# Altium PCB 2019.07.15.master.PcbDoc (part 1 of 7) (continued)
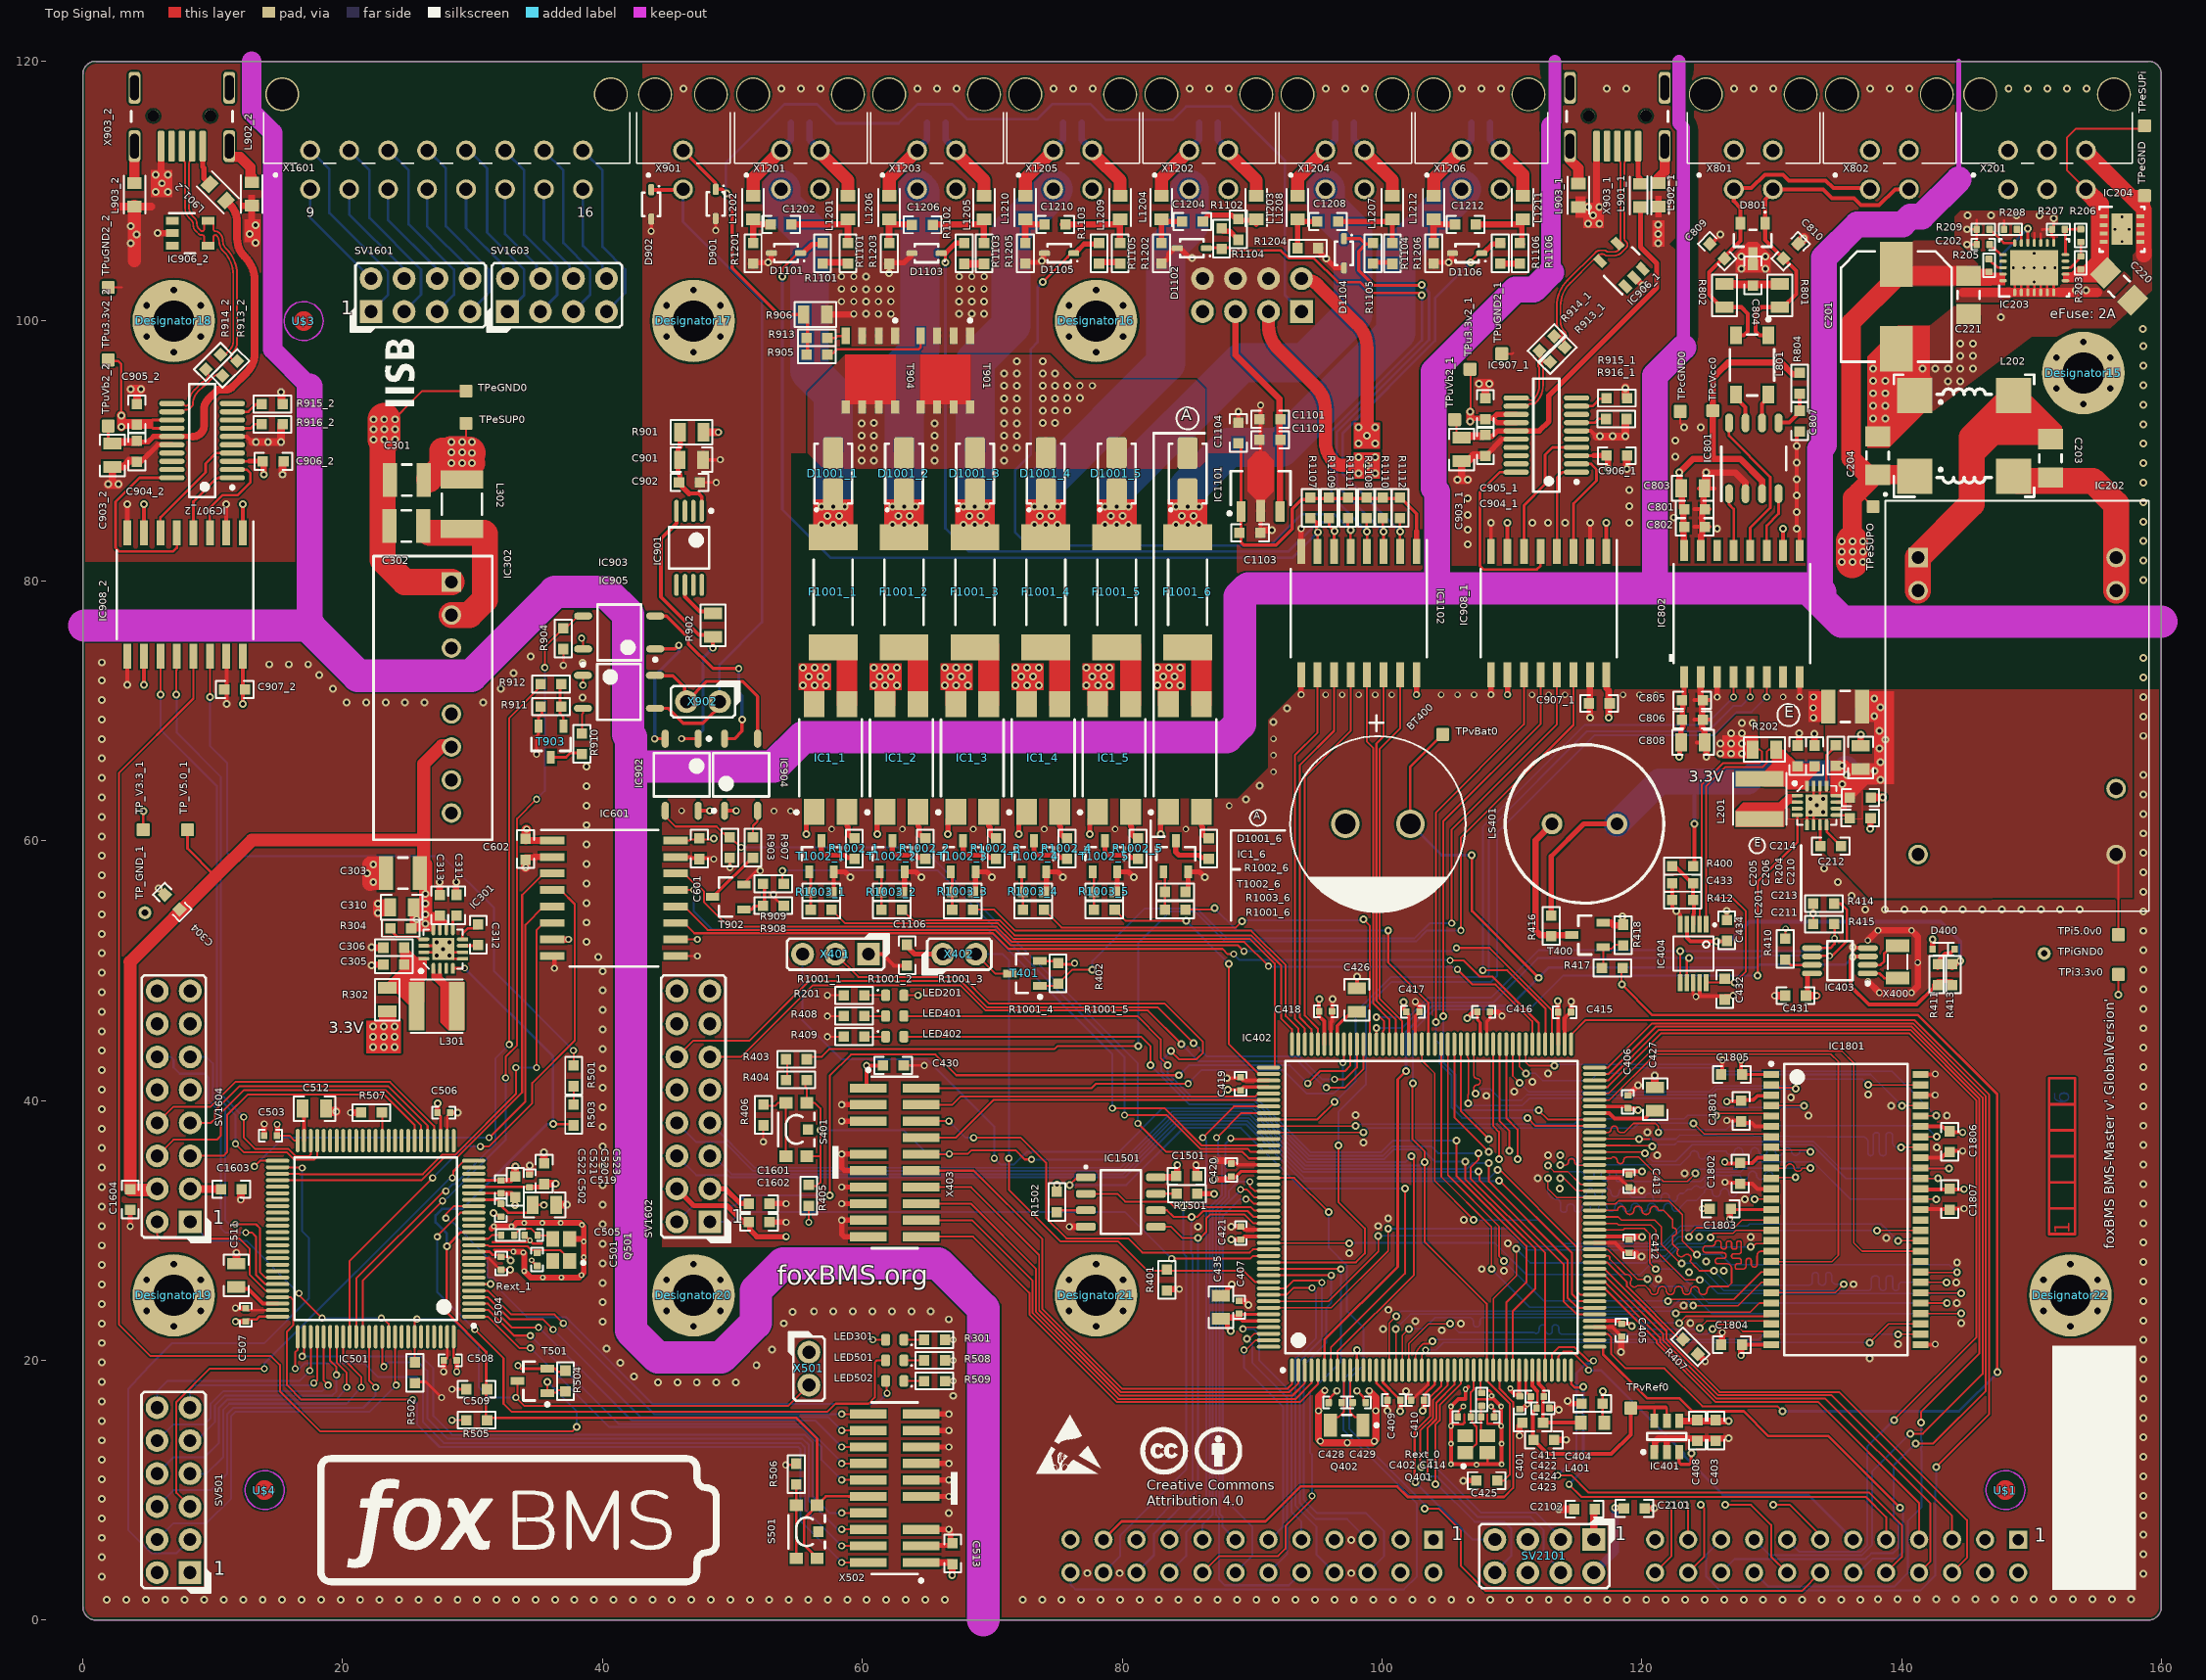
[diagram p0: Top Signal view]
## Classes and differential pairs
differential pair class USB_DP: D_1 D_2 U_1 U_2
channel class contactor_single: CON0 CON1 CON2 CON3 CON4 CON5
component class CON5: D1001_6 F1001_6 IC1_6 R1001_6 R1002_6 R1003_6 T1002_6
component class CON4: D1001_5 F1001_5 IC1_5 R1001_5 R1002_5 R1003_5 T1002_5
component class CON3: D1001_4 F1001_4 IC1_4 R1001_4 R1002_4 R1003_4 T1002_4
component class CON2: D1001_3 F1001_3 IC1_3 R1001_3 R1002_3 R1003_3 T1002_3
component class CON1: D1001_2 F1001_2 IC1_2 R1001_2 R1002_2 R1003_2 T1002_2
component class CON0: D1001_1 F1001_1 IC1_1 R1001_1 R1002_1 R1003_1 T1002_1
channel class isolated_usb_single: USB0 USB1
component class USB1: C903_2 C904_2 C905_2 C906_2 C907_2 IC906_2 IC907_2 IC908_2 L901_2 L902_2 L903_2 R913_2 R914_2 R915_2 R916_2 TPu3.3v2_2 TPuGND2_2 TPuVb2_2 X903_2
component class USB0: C903_1 C904_1 C905_1 C906_1 C907_1 IC906_1 IC907_1 IC908_1 L901_1 L902_1 L903_1 R913_1 R914_1 R915_1 R916_1 TPu3.3v2_1 TPuGND2_1 TPuVb2_1 X903_1
net class FMC.UDQ: FMC_MCU_0_RAM_D0 FMC_MCU_0_RAM_D1 FMC_MCU_0_RAM_D2 FMC_MCU_0_RAM_D3 FMC_MCU_0_RAM_D4 FMC_MCU_0_RAM_D5 FMC_MCU_0_RAM_D6 FMC_MCU_0_RAM_D7 FMC_MCU_0_RAM_D8 FMC_MCU_0_RAM_D9 FMC_MCU_0_RAM_D10 FMC_MCU_0_RAM_D11 FMC_MCU_0_RAM_D12 FMC_MCU_0_RAM_D13 FMC_MCU_0_RAM_D14 FMC_MCU_0_RAM_D15
net class FMC.SDRAM: FMC_MCU_0_RAM_A0 FMC_MCU_0_RAM_A1 FMC_MCU_0_RAM_A2 FMC_MCU_0_RAM_A3 FMC_MCU_0_RAM_A4 FMC_MCU_0_RAM_A5 FMC_MCU_0_RAM_A6 FMC_MCU_0_RAM_A7 FMC_MCU_0_RAM_A8 FMC_MCU_0_RAM_A9 FMC_MCU_0_RAM_A10 FMC_MCU_0_RAM_A11 FMC_MCU_0_RAM_BA0 FMC_MCU_0_RAM_BA1 FMC_MCU_0_RAM_D0 FMC_MCU_0_RAM_D1 FMC_MCU_0_RAM_D2 FMC_MCU_0_RAM_D3 FMC_MCU_0_RAM_D4 FMC_MCU_0_RAM_D5 FMC_MCU_0_RAM_D6 FMC_MCU_0_RAM_D7 FMC_MCU_0_RAM_D8 FMC_MCU_0_RAM_D9 FMC_MCU_0_RAM_D10 FMC_MCU_0_RAM_D11 FMC_MCU_0_RAM_D12 FMC_MCU_0_RAM_D13 FMC_MCU_0_RAM_D14 FMC_MCU_0_RAM_D15 FMC_MCU_0_RAM_NBL0 FMC_MCU_0_RAM_NBL1 FMC_MCU_0_RAM_SDCKE1 FMC_MCU_0_RAM_SDCLK FMC_MCU_0_RAM_SDNCAS FMC_MCU_0_RAM_SDNE1 FMC_MCU_0_RAM_SDNRAS FMC_MCU_0_RAM_SDNWE
net class FMC.LDQ: FMC_MCU_0_RAM_D0 FMC_MCU_0_RAM_D1 FMC_MCU_0_RAM_D2 FMC_MCU_0_RAM_D3 FMC_MCU_0_RAM_D4 FMC_MCU_0_RAM_D5 FMC_MCU_0_RAM_D6 FMC_MCU_0_RAM_D7 FMC_MCU_0_RAM_D8 FMC_MCU_0_RAM_D9 FMC_MCU_0_RAM_D10 FMC_MCU_0_RAM_D11 FMC_MCU_0_RAM_D12 FMC_MCU_0_RAM_D13 FMC_MCU_0_RAM_D14 FMC_MCU_0_RAM_D15
net class FMC.DQM: FMC_MCU_0_RAM_D0 FMC_MCU_0_RAM_D1 FMC_MCU_0_RAM_D2 FMC_MCU_0_RAM_D3 FMC_MCU_0_RAM_D4 FMC_MCU_0_RAM_D5 FMC_MCU_0_RAM_D6 FMC_MCU_0_RAM_D7 FMC_MCU_0_RAM_D8 FMC_MCU_0_RAM_D9 FMC_MCU_0_RAM_D10 FMC_MCU_0_RAM_D11 FMC_MCU_0_RAM_D12 FMC_MCU_0_RAM_D13 FMC_MCU_0_RAM_D14 FMC_MCU_0_RAM_D15
net class FMC.CNTRL: FMC_MCU_0_RAM_NBL0 FMC_MCU_0_RAM_NBL1 FMC_MCU_0_RAM_SDCKE1 FMC_MCU_0_RAM_SDCLK FMC_MCU_0_RAM_SDNE1
net class FMC.CMD: FMC_MCU_0_RAM_SDNCAS FMC_MCU_0_RAM_SDNRAS FMC_MCU_0_RAM_SDNWE
net class FMC.ADR: FMC_MCU_0_RAM_A0 FMC_MCU_0_RAM_A1 FMC_MCU_0_RAM_A2 FMC_MCU_0_RAM_A3 FMC_MCU_0_RAM_A4 FMC_MCU_0_RAM_A5 FMC_MCU_0_RAM_A6 FMC_MCU_0_RAM_A7 FMC_MCU_0_RAM_A8 FMC_MCU_0_RAM_A9 FMC_MCU_0_RAM_A10 FMC_MCU_0_RAM_A11 FMC_MCU_0_RAM_BA0 FMC_MCU_0_RAM_BA1
net class ISO_MCU_USB: D_1_N D_1_P D_2_N D_2_P ISO_FTDI_DTR_1 ISO_FTDI_DTR_2 ISO_FTDI_RTS_1 ISO_FTDI_RTS_2 ISO_FTDI_RX_1 ISO_FTDI_RX_2 ISO_FTDI_TX_1 ISO_FTDI_TX_2 NetIC907_1_7 NetIC907_1_9 NetIC907_2_7 NetIC907_2_9 NetIC1401_1 NetIC1401_3 NetIC1402_5 NetIC1402_8 NetIC1402_10 NetIC1402_17 NetIC1402_18 NetIC1402_19 NetL902_1_2 NetL902_2_2 NetL903_1_2 NetL903_2_2 NetX1401_4 NetX1401_6 NetX1401_7 NetX1401_8 NetX1401_9 U_1_N U_1_P U_2_N U_2_P USB_+3.3V_1 USB_+3.3V_2 USB_+VBUS_1 USB_+VBUS_2 USB_GND_1 USB_GND_2 USB_VBUS_1 USB_VBUS_2
net class ISO_MCU: +3.3V_0 +3.3V_0_IN +5.0V_0 +Vbat_0 +Vdda_0 +Vref_0 ADC_MCU_0_CH_0 ADC_MCU_0_CH_1 ADC_MCU_0_CH_2 ADC_MCU_0_CH_3 ADC_MCU_0_CH_4 BMS-INTERFACE_0_GPIO_0 BMS-INTERFACE_0_GPIO_1 BMS-INTERFACE_0_GPIO_2 BMS-INTERFACE_0_GPIO_3 BMS-INTERFACE_0_SPI_CS BMS-INTERFACE_0_SPI_MISO BMS-INTERFACE_0_SPI_MOSI BMS-INTERFACE_0_SPI_SCK BOOT_0_MCU_0 CAN_0_RX CAN_0_TRANS_STANDBY_CONTROL CAN_0_TX CAN_1_RX CAN_1_TRANS_STANDBY_CONTROL CAN_1_TX CAN_GND_INT CONTACTOR_0_CONTROL CONTACTOR_0_FEEDBACK CONTACTOR_1_CONTROL CONTACTOR_1_FEEDBACK CONTACTOR_2_CONTROL CONTACTOR_2_FEEDBACK CONTACTOR_3_CONTROL CONTACTOR_3_FEEDBACK CONTACTOR_4_CONTROL CONTACTOR_4_FEEDBACK CONTACTOR_5_CONTROL CONTACTOR_5_FEEDBACK CONTACTOR_6_CONTROL CONTACTOR_6_FEEDBACK CONTACTOR_7_CONTROL CONTACTOR_7_FEEDBACK CONTACTOR_8_CONTROL CONTACTOR_8_FEEDBACK DATA_STORAGE_SPI_EEPROM_CS DATA_STORAGE_SPI_Memory_NSS DATA_STORAGE_SPI_MISO DATA_STORAGE_SPI_MOSI DATA_STORAGE_SPI_SCK DEBUG_LED_0_MCU_0 DEBUG_LED_1_MCU_0 EN_3.3_0 FMC_MCU_0_RAM_A0 FMC_MCU_0_RAM_A1 FMC_MCU_0_RAM_A2 FMC_MCU_0_RAM_A3 FMC_MCU_0_RAM_A4 FMC_MCU_0_RAM_A5 FMC_MCU_0_RAM_A6 FMC_MCU_0_RAM_A7 FMC_MCU_0_RAM_A8 FMC_MCU_0_RAM_A9 FMC_MCU_0_RAM_A10 FMC_MCU_0_RAM_A11 FMC_MCU_0_RAM_BA0 FMC_MCU_0_RAM_BA1 FMC_MCU_0_RAM_D0 FMC_MCU_0_RAM_D1 FMC_MCU_0_RAM_D2 FMC_MCU_0_RAM_D3 FMC_MCU_0_RAM_D4 FMC_MCU_0_RAM_D5 FMC_MCU_0_RAM_D6 FMC_MCU_0_RAM_D7 FMC_MCU_0_RAM_D8 FMC_MCU_0_RAM_D9 FMC_MCU_0_RAM_D10 FMC_MCU_0_RAM_D11 FMC_MCU_0_RAM_D12 FMC_MCU_0_RAM_D13 FMC_MCU_0_RAM_D14 FMC_MCU_0_RAM_D15 FMC_MCU_0_RAM_NBL0 FMC_MCU_0_RAM_NBL1 FMC_MCU_0_RAM_SDCKE1 FMC_MCU_0_RAM_SDCLK FMC_MCU_0_RAM_SDNCAS FMC_MCU_0_RAM_SDNE1 FMC_MCU_0_RAM_SDNRAS FMC_MCU_0_RAM_SDNWE FQ_3.3_0 FTDI_MCU_0_DTR FTDI_MCU_0_RTS FTDI_MCU_0_RX FTDI_MCU_0_TX GPIO.RTC_INT# HSE_1_MCU_0 HSE_2_MCU_0 I2C3.SCL I2C3.SDA INTERLOCK_CONTROL_MCU_0 INTERLOCK_FEEDBACK_MCU_0 ISO_GPIO_MCU_0_IN_0 ISO_GPIO_MCU_0_IN_1 ISO_GPIO_MCU_0_IN_2 ISO_GPIO_MCU_0_IN_3 ISO_GPIO_MCU_0_OUT_0 ISO_GPIO_MCU_0_OUT_1 ISO_GPIO_MCU_0_OUT_2 ISO_GPIO_MCU_0_OUT_3 ISONOC_0_CONTROL ISONOC_1_CONTROL ISONOC_2_CONTROL ISONOC_3_CONTROL ISONOC_4_CONTROL ISONOC_5_CONTROL LSE_1_MCU_0 LSE_2_MCU_0 MCU_0_NRESET MCU_0_RTC_ALARM_OUT MCU_0_RTC_WAKEUP_IN MCU_0_SWCLK MCU_0_SWDIO MCU_0_SWO MCU_0_TDI MCU_TO_FPGA_INTERFACE_MCU_0_CS MCU_TO_FPGA_INTERFACE_MCU_0_MISO MCU_TO_FPGA_INTERFACE_MCU_0_MOSI MCU_TO_FPGA_INTERFACE_MCU_0_SCK MCU_TO_MCU_INTERFACE_MCU_0_CS MCU_TO_MCU_INTERFACE_MCU_0_MISO MCU_TO_MCU_INTERFACE_MCU_0_MOSI MCU_TO_MCU_INTERFACE_MCU_0_SCK Memory_SUPPLY_CONTROL NetC211_1 NetC212_1 NetC212_2 NetC414_1 NetC426_1 NetC427_1 NetD400_2 NetIC1_1_2 NetIC1_2_2 NetIC1_3_2 NetIC1_4_2 NetIC1_5_2 NetIC1_6_2 NetIC201_1 NetIC402_58 NetIC403_1 NetIC403_2 NetIC802_4 NetIC802_6 NetIC904_2 NetIC1501_3 NetIC1501_7 NetLED201_1 NetLED401_1 NetLED402_1 NetLS401_2 NetR403_1 NetR406_2 NetR417_1 NetR907_1 NetR908_1 NetR1001_1_1 NetR1001_2_1 NetR1001_3_1 NetR1001_4_1 NetR1001_5_1 NetR1001_6_1 NetR1002_1_1 NetR1002_2_1 NetR1002_3_1 NetR1002_4_1 NetR1002_5_1 NetR1002_6_1 PIEZO_MCU_0_PWM RS485_MCU_0_DE RS485_MCU_0_NRE RS485_MCU_0_RX RS485_MCU_0_TX TRACECLK_MCU_0 TRACED0_MCU_0 TRACED1_MCU_0 TRACED2_MCU_0 TRACED3_MCU_0 VBU_MON VIN_MON
net class ISO_MCU_SEC: +3.3V_1 +3.3V_1_IN +5.0V_1 BMS-INTERFACE_1_GPIO_0 BMS-INTERFACE_1_GPIO_1 BMS-INTERFACE_1_GPIO_2 BMS-INTERFACE_1_GPIO_3 BMS-INTERFACE_1_SPI_CS BMS-INTERFACE_1_SPI_MISO BMS-INTERFACE_1_SPI_MOSI BMS-INTERFACE_1_SPI_SCK BOOT_0_MCU_1 CAN_0_MCU_1_RX CAN_0_MCU_1_TX DEBUG_LED_0_MCU_1 DEBUG_LED_1_MCU_1 EN_3.3_1 FQ_3.3_1 FTDI_MCU_1_DTR FTDI_MCU_1_RTS FTDI_MCU_1_RX FTDI_MCU_1_TX GND_1 GPIO_MCU_1_0 GPIO_MCU_1_1 GPIO_MCU_1_2 GPIO_MCU_1_3 GPIO_MCU_1_4 GPIO_MCU_1_5 HSE_1_MCU_1 HSE_2_MCU_1 INTERLOCK_CONTROL_MCU_1 INTERLOCK_FEEDBACK_MCU_1 MCU_1_NRESET MCU_1_SWCLK MCU_1_SWDIO MCU_1_SWO MCU_1_TDI MCU_TO_MCU_INTERFACE_MCU_1_CS MCU_TO_MCU_INTERFACE_MCU_1_MISO MCU_TO_MCU_INTERFACE_MCU_1_MOSI MCU_TO_MCU_INTERFACE_MCU_1_SCK NetC311_1 NetC312_1 NetC312_2 NetC505_1 NetC511_1 NetC512_1 NetIC301_1 NetIC501_37 NetIC905_2 NetLED301_1 NetLED501_1 NetLED502_1 NetR501_1 NetR506_2 NetR910_1 NetR911_1 TRACECLK_MCU_1 TRACED0_MCU_1 TRACED1_MCU_1 TRACED2_MCU_1 TRACED3_MCU_1 USART_MCU_1_RX USART_MCU_1_TX
net class ISO_EXT: CAN_0_H CAN_0_H_INT CAN_0_ISO_RXD CAN_0_ISO_STB CAN_0_ISO_TXD CAN_0_L CAN_0_L_INT CAN_0_SPLIT CAN_0_VIO CAN_GND CAN_VCC CONTACTOR_0_COIL_POS CONTACTOR_0_FEEDBACK_EXT CONTACTOR_1_COIL_POS CONTACTOR_1_FEEDBACK_EXT CONTACTOR_2_COIL_POS CONTACTOR_2_FEEDBACK_EXT CONTACTOR_3_COIL_POS CONTACTOR_3_FEEDBACK_EXT CONTACTOR_4_COIL_POS CONTACTOR_4_FEEDBACK_EXT CONTACTOR_5_COIL_POS CONTACTOR_5_FEEDBACK_EXT CONTACTOR_FEEDBACK_SUPPLY_EXT CONTACTORS_COMMON_NEG FB_EXT_0 FB_EXT_1 FB_EXT_2 FB_EXT_3 FB_EXT_4 FB_EXT_5 GND_EXT_0 GND_EXT_2 INTERLOCK_STATUS NetC202_1 NetC203_1 NetC203_2 NetC302_2 NetC901_1 NetC1201_1 NetC1201_2 NetC1202_1 NetC1202_2 NetC1203_1 NetC1203_2 NetC1204_1 NetC1204_2 NetC1205_1 NetC1205_2 NetC1206_1 NetC1206_2 NetC1207_1 NetC1207_2 NetC1208_1 NetC1208_2 NetC1209_1 NetC1209_2 NetC1210_1 NetC1210_2 NetC1211_1 NetC1211_2 NetC1212_1 NetC1212_2 NetD902_1 NetF1001_1_1 NetF1001_2_1 NetF1001_3_1 NetF1001_4_1 NetF1001_5_1 NetF1001_6_1 NetIC203_10 NetIC203_12 NetIC203_18 NetIC203_19 NetIC203_22 NetIC702_6 NetIC901_4 NetIC901_6 NetIC903_2 NetIC904_3 NetR905_2 NetR913_2 NetSV1601_1 NetSV1601_2 NetSV1601_3 NetSV1601_4 NetSV1601_5 NetSV1601_6 NetSV1601_7 NetSV1601_8 NetSV1603_1 NetSV1603_2 NetSV1603_3 NetSV1603_4 NetSV1603_5 NetSV1603_6 NetSV1603_7 NetSV1603_8 NetX801_2 RTN_EXT_0 SUPPLY_EXT_0 SUPPLY_EXT_0_IN SUPPLY_EXT_2 ZHS
net class CAN_0: CAN_0_H CAN_0_H_INT CAN_0_ISO_RXD CAN_0_ISO_STB CAN_0_ISO_TXD CAN_0_L CAN_0_L_INT CAN_0_SPLIT CAN_0_VIO CAN_GND CAN_VCC NetX801_2
component class U_0405_ext_bootload_activation: R401 R402 T401 X402
component class U_0404_debug_LED: LED401 LED402 R408 R409
component class U_0403_crystals: C402 C414 C428 C429 Q401 Q402 Rext_0
component class U_0400_power: BT400 C401 C403 C404 C405 C406 C407 C408 C409 C410 C411 C412 C413 C415 C416 C417 C418 C419 C420 C421 C422 C423 C424 C431 C432 C433 C434 C435 D400 IC401 IC403 IC404 L401 R400 R410 R411 R412 R413 TPvBat0 TPvRef0 X400
component class U_18_connector_to_BMS_extension: JP2201 JP2202
component class U_17_FPGA_SPI_interface: C2101 C2102 SV2101
component class U_16_8MB_SDRAM: C1801 C1802 C1803 C1804 C1805 C1806 C1807 IC1801
component class U_15_bms-interface_interface: C1601 C1602 C1603 C1604 SV1601 SV1602 SV1603 SV1604 X1601
component class U_14_EEPROM: C1501 IC1501 R1501 R1502
component class U_12_contactor_connectors: C1201 C1202 C1203 C1204 C1205 C1206 C1207 C1208 C1209 C1210 C1211 C1212 L1201 L1202 L1203 L1204 L1205 L1206 L1207 L1208 L1209 L1210 L1211 L1212 R1101 R1102 R1103 R1104 R1105 R1106 R1201 R1202 R1203 R1204 R1205 R1206 X1201 X1202 X1203 X1204 X1205 X1206
component class U_11_contactor_feedback: C1101 C1102 C1103 C1104 C1106 D1101 D1102 D1103 D1104 D1105 D1106 IC1101 IC1102 R1101 R1102 R1103 R1104 R1105 R1106 R1107 R1108 R1109 R1110 R1111 R1112
component class U_09_interlock_circuit: C901 C902 D901 D902 IC901 IC902 IC903 IC904 IC905 R901 R902 R903 R904 R905 R906 R907 R908 R909 R910 R911 R912 R913 SV901 T901 T902 T903 T904 X901 X902
component class U_08_CAN0: C801 C802 C803 C804 C805 C806 C807 C808 C809 C810 D801 IC801 IC802 L801 R801 R802 R804 TPcGND0 TPcVcc0 X801 X802
component class U_06_mcu0_to_mcu1_isolated_SPI: C601 C602 IC601
component class U_05_mcu1_secondary: C501 C502 C503 C504 C505 C506 C507 C508 C509 C511 C512 C513 C519 C520 C521 C522 C523 IC501 LED501 LED502 Q501 R501 R502 R503 R504 R505 R506 R507 R508 R509 Rext_1 S501 SV501 T501 X501 X502
component class U_04_mcu0_primary: C425 C426 C427 C430 IC402 LS401 R403 R404 R405 R406 R407 R414 R415 R416 R417 R418 S401 T400 X401 X403
component class U_03_supply1: C301 C302 C303 C304 C305 C306 C310 C311 C312 C313 IC301 IC302 L301 L302 LED301 R301 R302 R304 TP_GND_1 TP_V3.3_1 TP_V5.0_1 TPeGND TPeSUPO
component class U_02_supply0: C201 C202 C203 C204 C205 C206 C210 C211 C212 C213 C214 C220 C221 IC201 IC202 IC203 IC204 L201 L202 LED201 R201 R202 R203 R204 R205 R206 R207 R208 R209 TPeGND TPeSUPi TPeSUPO TPi3.3v0 TPi5.0v0 X201
net class BMS-INTERFACE_1_GPIO_[0..3]: BMS-INTERFACE_1_GPIO_0 BMS-INTERFACE_1_GPIO_1 BMS-INTERFACE_1_GPIO_2 BMS-INTERFACE_1_GPIO_3
net class BMS-INTERFACE_0_GPIO_[0..3]: BMS-INTERFACE_0_GPIO_0 BMS-INTERFACE_0_GPIO_1 BMS-INTERFACE_0_GPIO_2 BMS-INTERFACE_0_GPIO_3
net class ADC_MCU_0_CH_[0..4]: ADC_MCU_0_CH_0 ADC_MCU_0_CH_1 ADC_MCU_0_CH_2 ADC_MCU_0_CH_3 ADC_MCU_0_CH_4
net class FMC_MCU_0_RAM_NBL[0..1]: FMC_MCU_0_RAM_NBL0 FMC_MCU_0_RAM_NBL1
net class FMC_MCU_0_RAM_D[0..15]: FMC_MCU_0_RAM_D0 FMC_MCU_0_RAM_D1 FMC_MCU_0_RAM_D2 FMC_MCU_0_RAM_D3 FMC_MCU_0_RAM_D4 FMC_MCU_0_RAM_D5 FMC_MCU_0_RAM_D6 FMC_MCU_0_RAM_D7 FMC_MCU_0_RAM_D8 FMC_MCU_0_RAM_D9 FMC_MCU_0_RAM_D10 FMC_MCU_0_RAM_D11 FMC_MCU_0_RAM_D12 FMC_MCU_0_RAM_D13 FMC_MCU_0_RAM_D14 FMC_MCU_0_RAM_D15
net class FMC_MCU_0_RAM_BA[0..1]: FMC_MCU_0_RAM_BA0 FMC_MCU_0_RAM_BA1
net class FMC_MCU_0_RAM_A[0..11]: FMC_MCU_0_RAM_A0 FMC_MCU_0_RAM_A1 FMC_MCU_0_RAM_A2 FMC_MCU_0_RAM_A3 FMC_MCU_0_RAM_A4 FMC_MCU_0_RAM_A5 FMC_MCU_0_RAM_A6 FMC_MCU_0_RAM_A7 FMC_MCU_0_RAM_A8 FMC_MCU_0_RAM_A9 FMC_MCU_0_RAM_A10 FMC_MCU_0_RAM_A11
polygon class PolygonThermal_OFF: GND_EXT_0_L02_P055 Polygon_1_Net_+3.3V_0 Polygon_1_Net_+3.3V_1 Polygon_1_Net_GND_0 Polygon_1_Net_GND_1 Polygon_1_Net_SUPPLY_EXT_0 Polygon_1_Net_SUPPLY_EXT_2 Polygon_2_Net_SUPPLY_EXT_2 Polygon_3_Net_GND_0
pad class SMDSolder_OFF: IC1101-2 T901-2 T901-4 T901-S
pad class SMDPaste_OFF: IC1101-2 T901-1 T901-2 T901-3 T901-4 T901-D T901-G T901-S
differential pair U_2: +U_2_P -U_2_N
differential pair U_1: +U_1_P -U_1_N
differential pair D_2: +D_2_P -D_2_N
differential pair D_1: +D_1_P -D_1_N

## Components (designator, comment, footprint, x,y, rotation, side; value= is the part's Value field where it differs from the comment)
BT400 "330m" KW-5R5C 99.69,61.29 r180 top
C201 "UUD1E331MNL1GS" NIC-CAPA2-8X10_V 139.598,101.117 r270 top locked
C202 "10n" 0402C 146.279,105.893 r180 top
C203 "GRM31CR72A105KA01L" CAPC3216X180X55ML20T25 151.464,89.439 r270 top
C204 "GRM31CR72A105KA01L" CAPC3216X180X55ML20T25 138.163,89.637 r270 top
C205 "10u" 0603C 132.004,66.523 r90 top
C206 "10u" 0603C 133.299,66.523 r90 top
C210 "10u" 0805C 136.854,66.403 r90 top
C211 "10n" 0603C 136.817,61.739 r0 top
C212 "10n" 0603C 134.544,59.573 r0 top
C213 "1u" 0603C 136.83,63.309 r0 top
C214 "12105C106KAT2A" CAPC3225X279X50LL20T25 135.676,70.333 r0 top
C220 "GRM31CR72A105KA01L" CAPC3216X180X55ML20T25 156.743,102.667 r135 top
C221 "GRM31CR72A105KA01L" CAPC3216X180X55ML20T25 145.167,102.013 r90 top
C301 "10u 50V" CAPC3225X279X50LL20T25 24.943,87.757 r0 top
C302 "10u 50V" CAPC3225X279X50LL20T25 24.917,84.226 r0 top
C303 "10uF 50V" CAPC3225X279X50LL20T25 24.636,57.498 r0 top
C304 "100n/50V" 0603C 6.883,55.27 r135 top
C305 "10u" 0603C 23.935,50.456 r180 top
C306 "10u" 0603C 23.935,51.756 r180 top
C310 "10u" 0805C 24.562,54.864 r180 top
C311 "10n" 0603C 28.771,55.027 r90 top
C312 "10n" 0603C 30.435,52.756 r90 top
C313 "1u" 0603C 27.483,55.016 r90 top
C401 "100n/50V" 0402C 110.612,16.736 r270 top
C402 "18p/50V" 0402C 106.339,15.634 r0 top
C403 "1u/35V" 0603C 125.707,14.595 r270 top
C404 "1u/35V" 0603C 116.18,16.662 r180 top
C405 "100n/50V" 0402C 118.452,22.307 r270 top
C406 "100n/50V" 0402C 118.941,39.893 r90 top
C407 "100n/50V" 0402C 89.002,24.079 r90 top
C408 "100n/50V" 0603C 124.278,14.595 r270 top
C409 "100n/50V" 0402C 100.925,16.924 r180 top
C410 "100n/50V" 0402C 102.743,16.916 r180 top
C411 "100n/50V" 0402C 111.963,17.196 r180 top
C412 "100n/50V" 0402C 119.024,28.77 r270 top
C413 "100n/50V" 0402C 119.024,33.796 r270 top
C414 "18p/50V" 0402C 108.138,15.634 r0 top
C415 "100n/50V" 0402C 114.054,46.796 r0 top
C416 "100n/50V" 0402C 107.829,46.817 r0 top
C417 "100n/50V" 0402C 102.387,46.817 r0 top
C418 "100n/50V" 0402C 95.665,46.865 r0 top
C419 "100n/50V" 0402C 89.125,41.284 r90 top
C420 "100n/50V" 0402C 88.41,34.642 r90 top
C421 "100n/50V" 0402C 89.138,29.791 r90 top
C422 "100n/50V" 0402C 112.395,16.307 r0 top
C423 "1u/35V" 0603C 112.471,13.868 r0 top
C424 "1u/35V" 0603C 111.608,15.189 r180 top
C425 "100n/50V" 0603C 108.072,10.728 r180 top
C426 "2u2/50V" 0805C 98.072,47.734 r90 top
C427 "2u2/50V" 0805C 121.032,40.098 r90 top
C428 "18p/50V" 0402C 96.399,16.736 r0 top
C429 "18p/50V" 0402C 98.247,16.739 r0 top
C430 "100n/50V" 0603C 62.389,42.689 r0 top
C431 "100n" 0603C 131.846,48.061 r180 top
C432 "100n" 0603C 126.39,48.565 r270 top
C433 "10n" 0603C 123.15,56.722 r0 top
C434 "10n" 0603C 126.549,53.086 r270 top
C435 "4u7/50V" 0805C 87.605,24.079 r90 top
C501 "18p/50V" 0402C 34.976,27.762 r90 top
C502 "100n/50V" 0402C 32.186,31.545 r270 top
C503 "100n/50V" 0402C 14.446,37.291 r180 top
C504 "100n/50V" 0402C 32.206,27.457 r270 top
C505 "18p/50V" 0402C 34.515,29.628 r180 top
C506 "100n/50V" 0402C 27.787,39.063 r0 top
C507 "100n/50V" 0402C 12.541,23.495 r90 top
C508 "100n/50V" 0402C 28.281,19.988 r180 top
C509 "100n/50V" 0603C 30.321,17.765 r180 top
C511 "2u2/50V" 0805C 11.811,26.533 r90 top
C512 "2u2/50V" 0805C 17.826,39.365 r0 top
C513 "100n/50V" 0603C 66.954,5.105 r90 top
C519 "4u7/50V" 0805C 35.535,31.953 r0 top
C520 "100n/50V" 0402C 34.392,33.799 r90 top
C521 "1u/35V" 0603C 33.284,33.352 r270 top
C522 "100n/50V" 0402C 32.186,33.343 r270 top
C523 "1u/35V" 0603C 35.509,34.353 r90 top
C601 "100n/50V" 0603C 47.466,59.377 r90 top
C602 "100n/50V" 0603C 34.087,59.334 r270 top
C801 "1u/35V" 0603C 124.079,85.51 r180 top
C802 "100n/50V" 0603C 124.079,84.15 r180 top
C803 "10u/50V" 0805C 123.927,87.12 r0 top
C804 "4700p/50V" 0603C 128.549,103.53 r270 top
C805 "100n/50V" 0603C 123.901,70.815 r180 top
C806 "1u/35V" 0603C 123.901,69.304 r180 top
C807 "100n/50V" 0603C 132.156,92.297 r90 top
C808 "10u/50V" 0805C 123.952,67.564 r0 top
C809 "68p/50V" 0603C 125.806,105.375 r315 top
C810 "68p/50V" 0603C 131.47,105.375 r45 top
C901 "2u2/50V" 0805C 46.85,89.323 r0 top locked
C902 "100n/50V" 0603C 46.692,87.577 r0 top locked
C903_1 "4u7/50V" 0805C 106.133,90.119 r270 top (schematic designator C903)
C903_2 "4u7/50V" 0805C 2.273,89.662 r270 top (schematic designator C903)
C904_1 "100n/50V" 0603C 107.959,90.424 r270 top (schematic designator C904)
C904_2 "100n/50V" 0603C 4.166,89.967 r270 top (schematic designator C904)
C905_1 "100n/50V" 0603C 107.959,93.247 r90 top (schematic designator C905)
C905_2 "100n/50V" 0603C 4.166,92.812 r90 top (schematic designator C905)
C906_1 "100n/50V" 0603C 118.087,89.637 r0 top (schematic designator C906)
C906_2 "100n/50V" 0603C 14.656,89.205 r0 top (schematic designator C906)
C907_1 "100n/50V" 0603C 116.738,70.561 r180 top locked (schematic designator C907)
C907_2 "100n/50V" 0603C 11.684,71.628 r180 top (schematic designator C907)
C1101 "1u/35V" 0603C 91.384,92.44 r180 top
C1102 "100n/50V" 0603C 91.384,90.865 r180 top
C1103 "100n/50V" 0603C 89.84,83.693 r0 top
C1104 "100n/50V" 0603C 88.951,91.389 r90 top
C1106 "100n/50V" 0603C 63.449,51.181 r270 top
C1201 "100n/50V" 0603C 55.22,115.265 r180 bottom
C1202 "100n/50V" 0603C 53.745,107.437 r0 top
C1203 "100n/50V" 0603C 86.665,115.265 r180 bottom
C1204 "100n/50V" 0603C 85.42,107.671 r0 top
C1205 "100n/50V" 0603C 65.761,115.265 r180 bottom
C1206 "100n/50V" 0603C 64.629,107.41 r0 top
C1207 "100n/50V" 0603C 97.18,115.265 r180 bottom
C1208 "100n/50V" 0603C 95.829,107.671 r0 top
C1209 "100n/50V" 0603C 76.149,115.265 r180 bottom
C1210 "100n/50V" 0603C 74.841,107.437 r0 top
C1211 "100n/50V" 0603C 107.645,115.265 r180 bottom
C1212 "100n/50V" 0603C 106.426,107.437 r0 top
C1501 "100n/50V" 0603C 84.971,34.167 r180 top
C1601 "100n/50V" 0603C 52.07,32.053 r0 top
C1602 "100n/50V" 0603C 52.07,30.624 r0 top locked
C1603 "100n/50V" 0603C 11.43,33.164 r0 top
C1604 "100n/50V" 0603C 3.651,32.37 r270 top
C1801 "100n/50V" 0603C 127.66,39.184 r270 top
C1802 "100n/50V" 0603C 127.575,34.383 r270 top
C1803 "100n/50V" 0603C 126.055,31.644 r180 top
C1804 "100n/50V" 0603C 126.92,21.196 r180 top
C1805 "100n/50V" 0603C 126.92,41.996 r180 top
C1806 "100n/50V" 0603C 143.711,32.389 r270 top
C1807 "100n/50V" 0603C 143.711,36.822 r270 top
C2101 "100n/50V" 0603C 119.429,8.597 r180 top
C2102 "100n/50V" 0603C 115.595,8.534 r180 top
D400 "NF" NF_SOD-523 143.238,51.647 r0 top
D801 "PESD1CAN" NXP-SOT23-3_V 128.549,106.375 r0 top
D901 "MM3Z12VT1G" SODFL250X110-2N 48.717,109.017 r270 top
D902 "MM3Z12VT1G" SODFL250X110-2N 43.754,108.984 r270 top
D1001_1 "d_si_sma_1A" DIOM4326X24N 57.76,88.265 r90 top (schematic designator D1001)
D1001_2 "d_si_sma_1A" DIOM4326X24N 63.216,88.265 r90 top (schematic designator D1001)
D1001_3 "d_si_sma_1A" DIOM4326X24N 68.672,88.265 r90 top (schematic designator D1001)
D1001_4 "d_si_sma_1A" DIOM4326X24N 74.128,88.265 r90 top (schematic designator D1001)
D1001_5 "d_si_sma_1A" DIOM4326X24N 79.584,88.265 r90 top (schematic designator D1001)
D1001_6 "d_si_sma_1A" DIOM4326X24N 85.04,88.265 r90 top (schematic designator D1001)
D1101 "CDSOD323-T05" SODFL250X110-2N 54.127,105.232 r180 top
D1102 "CDSOD323-T05" SODFL250X110-2N 85.369,105.613 r180 top
D1103 "CDSOD323-T05" SODFL250X110-2N 64.948,105.218 r180 top
D1104 "CDSOD323-T05" SODFL250X110-2N 97.079,105.218 r270 top
D1105 "CDSOD323-T05" SODFL250X110-2N 75.15,105.218 r180 top
D1106 "CDSOD323-T05" SODFL250X110-2N 106.559,105.218 r180 top
Designator15 "Comment" HOLE_3.2_ISO 154,96 r0 top
Designator16 "Comment" HOLE_3.2_ISO 78,100 r0 top locked
Designator17 "Comment" HOLE_3.2_ISO 47,100 r0 top locked
Designator18 "Comment" HOLE_3.2_ISO 7,100 r0 top locked
Designator19 "Comment" HOLE_3.2_ISO 7,25 r0 top locked
Designator20 "Comment" HOLE_3.2_ISO 47,25 r0 top locked
Designator21 "Comment" HOLE_3.2_ISO 78,25 r0 top locked
Designator22 "Comment" HOLE_3.2_ISO 153,25 r0 top locked
F1001_1 "fuse_4A_3403.0172.11" Schurter_UMT_250 57.76,79.121 r90 top locked (schematic designator F1001)
F1001_2 "fuse_4A_3403.0172.11" Schurter_UMT_250 63.216,79.121 r90 top locked (schematic designator F1001)
F1001_3 "fuse_4A_3403.0172.11" Schurter_UMT_250 68.672,79.121 r90 top locked (schematic designator F1001)
F1001_4 "fuse_4A_3403.0172.11" Schurter_UMT_250 74.128,79.121 r90 top locked (schematic designator F1001)
F1001_5 "fuse_4A_3403.0172.11" Schurter_UMT_250 79.584,79.121 r90 top locked (schematic designator F1001)
F1001_6 "fuse_4A_3403.0172.11" Schurter_UMT_250 85.04,79.121 r90 top locked (schematic designator F1001)
IC1_1 "AQY212GHA" PNSC-DIP4(SMT)_V 57.556,66.37 r90 top locked (schematic designator IC1)
IC1_2 "AQY212GHA" PNSC-DIP4(SMT)_V 63.013,66.37 r90 top locked (schematic designator IC1)
IC1_3 "AQY212GHA" PNSC-DIP4(SMT)_V 68.469,66.37 r90 top locked (schematic designator IC1)
IC1_4 "AQY212GHA" PNSC-DIP4(SMT)_V 73.925,66.37 r90 top locked (schematic designator IC1)
IC1_5 "AQY212GHA" PNSC-DIP4(SMT)_V 79.381,66.37 r90 top locked (schematic designator IC1)
IC1_6 "AQY212GHA" PNSC-DIP4(SMT)_V 84.837,66.37 r90 top locked (schematic designator IC1)
IC201 "TPS62091" QFN-16-TI 133.471,62.713 r0 top
IC202 "VAQE6W-Q24-S5-D" VAQE6W-Q24-S5-D 141.275,81.788 r270 top locked
IC203 "TPS26602RHFR" RHF0024A 150.214,104.11 r90 top value=Value
IC204 "TVS3301DRVR" DRB0008F 156.975,107.071 r0 top value=Value
IC301 "TPS62091" QFN-16-TI 27.735,51.656 r90 top
IC302 "RS-xxxxS" RECOM_RS-S_D 22.375,81.91 r270 top
IC401 "ADR3425ARJZ-R2" ADI-RJ-6_N 121.929,14.132 r90 top
IC402 "STM32F429IIT6" STM-LQFP176_N 103.822,31.784 r90 top locked
IC403 "DS1339-U33" USOP-8 135.251,50.754 r180 top
IC404 "LTC2990" MSOP-10 123.962,51.311 r270 top locked
IC501 "STM32F429VIT6" STM-LQFP100_N 22.543,29.354 r180 top locked
IC601 "ISO7741DWR" DW0016B_N 40.878,55.567 r0 top locked value=Value
IC801 "TCAN1042HGVDRQ1" D0008A_N 128.626,89.433 r90 top value=Value
IC802 "ISOW7841DWER" DWE0016A 127.711,77.468 r90 top locked value=Value
IC901 "LM317LCPWR" PW8_N 46.672,82.535 r270 top locked
IC902 "CPC1008N" SOP254P610X218-4N 46.101,65.073 r270 top locked
IC903 "CPC1008N" SOP254P610X218-4N 41.286,76.028 r180 top locked
IC904 "CPC1008N" SOP254P610X218-4N 50.673,65.073 r90 top locked
IC905 "CPC1008N" SOP254P610X218-4N 41.272,71.452 r0 top locked
IC906_1 "ESDS302DBVR" DBV0005A_N 118.44,104.318 r135 top value=Value (schematic designator IC906)
IC906_2 "ESDS302DBVR" DBV0005A_N 8.262,106.766 r0 top value=Value (schematic designator IC906)
IC907_1 "FT231XS-R" SSOP-20_L 112.658,91.224 r180 top (schematic designator IC907)
IC907_2 "FT231XS-R" SSOP-20_L 9.183,90.792 r180 top (schematic designator IC907)
IC908_1 "ISO7741DWR" DW0016B_N 112.841,77.519 r270 top locked value=Value (schematic designator IC908)
IC908_2 "ISO7741DWR" DW0016B_N 7.874,78.943 r270 top locked value=Value (schematic designator IC908)
IC1101 "UA78L05CPK" PK0003A_M 90.661,87.241 r90 top locked
IC1102 "ISO7760DWR" DW0016B_N 98.222,77.519 r270 top locked value=Value
IC1501 "MB85RS2MTAPNF-G-BDERE1" SOIC127P600X175-8N 79.91,32.177 r0 top
IC1801 "IS42S16400J-7TLI" TSOP80P1180X120-54N 135.716,31.596 r0 top locked
JP2201 "SLW-112-01-T-D" SMTC-SLW-112-01-X-D 103.97,6.19 r180 bottom
JP2202 "SLW-112-01-T-D" SMTC-SLW-112-01-X-D 148.972,6.19 r180 bottom
L201 "1u" WE-LQS 129.071,63.213 r90 top
L202 "CMC 2.2MH 750MA 2LN 7.5 KOHM SMD" WE-SL5 144.812,91.161 r180 top value=Value
L301 "1u" WE-LQS 27.235,47.256 r180 top
L302 "FIXED IND 3.9UH 1.32A 140MOHM SM" INDC4532 29.185,85.912 r270 top value=3.9uH
L401 "BLM21AG471SN1J" MURA-BLM21-H1-CHIP-2_V 116.205,15.189 r180 top
L801 "ACT45B-510-2P-TL003" TDK-ACT45B-510-2P-TL003-4_V 128.499,96.622 r270 top
L901_1 "BLM21AG471SN1J" MURA-BLM21-H1-CHIP-2_V 119.908,109.666 r270 top (schematic designator L901)
L901_2 "BLM21AG471SN1J" MURA-BLM21-H1-CHIP-2_V 10.392,109.906 r315 top (schematic designator L901)
L902_1 "BLM21AG471SN1J" MURA-BLM21-H1-CHIP-2_V 121.274,109.712 r90 top (schematic designator L902)
L902_2 "BLM21AG471SN1J" MURA-BLM21-H1-CHIP-2_V 13.005,109.779 r90 top (schematic designator L902)
L903_1 "BLM21AG471SN1J" MURA-BLM21-H1-CHIP-2_V 115.12,109.68 r90 top (schematic designator L903)
L903_2 "BLM21AG471SN1J" MURA-BLM21-H1-CHIP-2_V 3.975,109.728 r90 top (schematic designator L903)
L1201 "BLM21AG471SN1J" MURA-BLM21-H1-CHIP-2_V 58.895,108.737 r270 top
L1202 "BLM21AG471SN1J" MURA-BLM21-H1-CHIP-2_V 51.595,108.737 r270 top
L1203 "BLM21AG471SN1J" MURA-BLM21-H1-CHIP-2_V 90.328,108.737 r270 top
L1204 "BLM21AG471SN1J" MURA-BLM21-H1-CHIP-2_V 83.027,108.737 r270 top
L1205 "BLM21AG471SN1J" MURA-BLM21-H1-CHIP-2_V 69.373,108.737 r270 top
L1206 "BLM21AG471SN1J" MURA-BLM21-H1-CHIP-2_V 62.072,108.737 r270 top
L1207 "BLM21AG471SN1J" MURA-BLM21-H1-CHIP-2_V 100.805,108.737 r270 top
L1208 "BLM21AG471SN1J" MURA-BLM21-H1-CHIP-2_V 93.505,108.737 r270 top
L1209 "BLM21AG471SN1J" MURA-BLM21-H1-CHIP-2_V 79.85,108.737 r270 top
L1210 "BLM21AG471SN1J" MURA-BLM21-H1-CHIP-2_V 72.55,108.737 r270 top
L1211 "BLM21AG471SN1J" MURA-BLM21-H1-CHIP-2_V 110.836,108.737 r270 top
L1212 "BLM21AG471SN1J" MURA-BLM21-H1-CHIP-2_V 103.982,108.737 r270 top
LED201 "orange" LEDC1608X07N 62.5,48.086 r0 top locked
LED301 "orange" LEDC1608X07N 62.5,21.575 r180 top locked
LED401 "red" LEDC1608X07N 62.5,46.499 r0 top locked
LED402 "green" LEDC1608X07N 62.5,44.911 r0 top locked
LED501 "red" LEDC1608X07N 62.5,19.988 r180 top locked
LED502 "green" LEDC1608X07N 62.5,18.4 r180 top locked
LS401 "PS1240P02CT3" PS12 115.596,61.29 r180 top
Q401 "CX2520DB32000D0GEJZ1" AVX-CX2520DB32000D0GEJZ1-4_V 107.274,13.543 r90 top
Q402 "32.768kHz" ESPO-FC-135-2_V 97.288,14.994 r180 top
Q501 "CX2520DB32000D0GEJZ1" AVX-CX2520DB32000D0GEJZ1-4_V 36.823,28.494 r180 top
R201 "130R" 0603R 59.372,48.086 r0 top locked
R202 "10m" 0805R 129.444,67.013 r0 top
R203 "10k" 0402R 153.797,104.484 r270 top
R204 "10k" 0603R 134.946,66.554 r270 top
R205 "10k" 0402R 146.728,104.281 r270 top
R206 "10k" 0402R 153.797,106.578 r270 top
R207 "10k" 0402R 152.07,107.061 r0 top
R208 "10k" 0402R 148.384,107.061 r0 top
R209 "10k" 0402R 146.279,107.061 r0 top
R301 "130R" 0603R 65.564,21.575 r0 top locked
R302 "10m" 0805R 23.435,47.756 r90 top
R304 "10k" 0603R 24.485,53.256 r0 top
R400 "100k" 0603R 123.15,58.042 r0 top
R401 "10k" 0603R 83.452,26.172 r90 top
R402 "10k" 0603R 75.072,49.776 r90 top
R403 "0R" 0603R 54.927,43.165 r0 top locked
R404 "680R" 0603R 54.927,41.578 r180 top locked
R405 "10k" 0603R 55.88,32.688 r270 top locked
R406 "0R" 0603R 52.387,38.879 r90 top locked
R407 "10k" 0603R 123.748,21.034 r135 top
R408 "130R" 0603R 59.372,46.499 r0 top locked
R409 "130R" 0603R 59.372,44.911 r0 top locked
R410 "100k" 0603R 131.041,51.647 r90 top
R411 "NF" 0603R 142.792,49.685 r270 top
R412 "100k" 0603R 123.15,55.423 r0 top
R413 "10Meg" 0603R 143.891,49.685 r270 top
R414 "4.7k" 0603R 134.007,55.154 r180 top
R415 "4.7k" 0603R 134.005,53.573 r180 top
R416 "1k" 0603R 113.031,53.43 r90 top
R417 "10R" 0603R 117.729,50.185 r0 top
R418 "10k" 0603R 118.567,52.73 r270 top
R501 "0R" 0603R 37.782,41.895 r90 top locked
R502 "10k" 0603R 25.559,19.035 r90 top locked
R503 "680R" 0603R 37.782,38.879 r90 top locked
R504 "10k" 0603R 37.148,18.4 r90 top locked
R505 "10k" 0603R 30.321,15.384 r180 top locked
R506 "0R" 0603R 54.927,11.24 r270 top locked
R507 "10k" 0603R 22.223,39.065 r0 top
R508 "130R" 0603R 65.564,19.988 r180 top locked
R509 "130R" 0603R 65.564,18.4 r180 top locked
R801 "59" 0805R 130.632,101.969 r90 top
R802 "59" 0805R 126.365,101.969 r270 top
R804 "0" 0603R 132.156,95.209 r270 top
R901 "10R" 0805R 46.863,91.44 r0 top
R902 "120R" 0805R 48.509,76.581 r90 top
R903 "10k" 0603R 49.809,59.461 r90 top
R904 "10k" 0603R 36.989,75.55 r90 top locked
R905 "10R" 0603R 56.515,97.409 r0 top
R906 "330R" 0805R 56.387,100.508 r180 top
R907 "430R" 0603R 51.587,59.461 r90 top
R908 "10k" 0603R 53.162,54.991 r0 top
R909 "10R" 0603R 53.159,56.678 r0 top
R910 "430R" 0603R 38.417,67.454 r90 top locked
R911 "10k" 0603R 36.036,70.311 r180 top locked
R912 "10R" 0603R 36.036,72.058 r180 top locked
R913 "10R" 0603R 56.515,98.704 r0 top
R913_1 "27R" 0603R 113.513,97.409 r45 top (schematic designator R913)
R913_2 "27R" 0603R 11.325,96.355 r45 top (schematic designator R913)
R914_1 "27R" 0603R 112.695,98.273 r45 top (schematic designator R914)
R914_2 "27R" 0603R 10.033,96.85 r45 top (schematic designator R914)
R915_1 "0R" 0603R 118.087,94.069 r0 top (schematic designator R915)
R915_2 "0R" 0603R 14.58,93.599 r0 top (schematic designator R915)
R916_1 "0R" 0603R 118.044,92.461 r0 top (schematic designator R916)
R916_2 "0R" 0603R 14.58,92.05 r0 top (schematic designator R916)
R1001_1 "10R" 0603R 56.831,54.686 r0 top (schematic designator R1001)
R1001_2 "10R" 0603R 62.265,54.686 r0 top (schematic designator R1001)
R1001_3 "10R" 0603R 67.721,54.686 r0 top (schematic designator R1001)
R1001_4 "10R" 0603R 73.177,54.686 r0 top (schematic designator R1001)
R1001_5 "10R" 0603R 78.633,54.686 r0 top (schematic designator R1001)
R1001_6 "10R" 0603R 84.089,54.686 r0 top (schematic designator R1001)
R1002_1 "430R" 0603R 59.393,59.385 r90 top (schematic designator R1002)
R1002_2 "430R" 0603R 64.849,59.385 r90 top (schematic designator R1002)
R1002_3 "430R" 0603R 70.305,59.385 r90 top (schematic designator R1002)
R1002_4 "430R" 0603R 75.761,59.385 r90 top (schematic designator R1002)
R1002_5 "430R" 0603R 81.217,59.385 r90 top (schematic designator R1002)
R1002_6 "430R" 0603R 86.673,59.385 r90 top (schematic designator R1002)
R1003_1 "10k" 0603R 56.831,56.032 r180 top (schematic designator R1003)
R1003_2 "10k" 0603R 62.265,56.032 r180 top (schematic designator R1003)
R1003_3 "10k" 0603R 67.721,56.058 r180 top (schematic designator R1003)
R1003_4 "10k" 0603R 73.177,56.058 r180 top (schematic designator R1003)
R1003_5 "10k" 0603R 78.633,56.058 r180 top (schematic designator R1003)
R1003_6 "10k" 0603R 84.089,56.058 r180 top (schematic designator R1003)
R1101 "47R" 0603R 58.895,105.218 r90 top
R1101 "47R" 0603R 56.941,105.218 r90 top
R1102 "47R" 0603R 88.951,107.047 r90 top
R1102 "47R" 0603R 67.843,105.207 r90 top
R1103 "47R" 0603R 69.373,105.207 r90 top
R1103 "47R" 0603R 78.232,105.218 r90 top
R1104 "47R" 0603R 100.805,105.207 r270 top
R1104 "47R" 0603R 87.655,106.347 r90 top
R1105 "47R" 0603R 79.85,105.218 r270 top
R1105 "47R" 0603R 99.314,105.218 r270 top
R1106 "47R" 0603R 110.633,105.218 r270 top
R1106 "47R" 0603R 109.114,105.218 r270 top
R1107 "10k" 0603R 94.493,85.622 r90 top
R1108 "10k" 0603R 98.821,85.622 r90 top
R1109 "10k" 0603R 95.936,85.622 r90 top
R1110 "10k" 0603R 100.076,85.622 r90 top
R1111 "10k" 0603R 97.378,85.622 r90 top
R1112 "10k" 0603R 101.397,85.622 r90 top
R1201 "47R" 0603R 51.595,105.218 r270 top
R1202 "47R" 0603R 83.027,105.218 r270 top
R1203 "47R" 0603R 62.072,105.207 r270 top
R1204 "47R" 0603R 94.298,105.613 r0 top
R1205 "47R" 0603R 72.55,105.218 r270 top
R1206 "47R" 0603R 103.982,105.218 r270 top
R1501 "10k" 0603R 84.99,32.812 r0 top
R1502 "10k" 0603R 74.981,32.182 r90 top
Rext_0 "10R" 0402R 107.681,16.98 r270 top
Rext_1 "10R" 0402R 32.701,29.628 r0 top
S401 "KMR221GLFS" KMR2_Series 54.927,37.768 r270 top locked
S501 "KMR221GLFS" KMR2_Series 55.721,6.795 r270 top locked
SV501 "samtec_TSW-106-07-G-D" PINHEADER_2.54_2X6 6.985,10 r90 top locked
SV901 "samtec_SLW-104-01-G-D" SLW_104_01_G_D 90,102 r180 bottom
SV1601 "samtec_TSW-104-07-G-D" PINHEADER_2.54_2X4 26,102 r0 top locked
SV1602 "samtec_TSW-108-07-G-D" PINHEADER_2.54_2X8 47,39.54 r90 top locked
SV1603 "samtec_TSW-104-07-G-D" PINHEADER_2.54_2X4 36.5,102 r0 top locked
SV1604 "samtec_TSW-108-07-G-D" PINHEADER_2.54_2X8 7,39.54 r90 top locked
SV2101 "samtec_TSW-104-07-G-D" PINHEADER_2.54_2X4 112.5,4.92 r180 top
T400 "IRLML0100TRPBF" SOT95P237X110-3N 115.824,52.73 r180 top
T401 "BSS84P" INF-PG-SOT23_N 72.532,49.776 r180 top
T501 "BSS84P" INF-PG-SOT23_N 34.608,18.4 r180 top locked
T901 "SQJA60EP-T1_GE3" VISH-POWERPAKSO-8_V 66.396,96.187 r270 top
T902 "IRLML0100TRPBF" SOT95P237X110-3N 49.679,55.662 r180 top
T903 "IRLML0100TRPBF" SOT95P237X110-3N 36.036,67.613 r270 top
T904 "SQJA60EP-T1_GE3" VISH-POWERPAKSO-8_V 60.63,96.187 r270 top
T1002_1 "IRLML0100TRPBF" SOT95P237X110-3N 56.853,58.801 r90 top (schematic designator T1002)
T1002_2 "IRLML0100TRPBF" SOT95P237X110-3N 62.309,58.801 r90 top (schematic designator T1002)
T1002_3 "IRLML0100TRPBF" SOT95P237X110-3N 67.765,58.801 r90 top (schematic designator T1002)
T1002_4 "IRLML0100TRPBF" SOT95P237X110-3N 73.221,58.801 r90 top (schematic designator T1002)
T1002_5 "IRLML0100TRPBF" SOT95P237X110-3N 78.677,58.801 r90 top (schematic designator T1002)
T1002_6 "IRLML0100TRPBF" SOT95P237X110-3N 84.133,58.801 r90 top (schematic designator T1002)
TP_GND_1 "Testpoint_Round" Testpoint_D1V 4.778,54.454 r270 top
TP_V3.3_1 "Testpoint_Square" Testpoint_S1 4.65,60.833 r90 top
TP_V5.0_1 "Testpoint_Square" Testpoint_S1 8.059,60.833 r90 top
TPcGND0 "Testpoint_Square" Testpoint_S1 122.966,93.042 r90 top
TPcVcc0 "Testpoint_Square" Testpoint_S1 125.476,93.097 r90 top
TPeGND "Testpoint_Square" Testpoint_S1 158.7,109.652 r180 top
TPeGND0 "Testpoint_Square" Testpoint_S1 29.5,94.611 r90 top
TPeSUP0 "Testpoint_Square" Testpoint_S1 29.5,92.126 r90 top
TPeSUPi "Testpoint_Square" Testpoint_S1 158.699,115.037 r90 top
TPeSUPO "Testpoint_Square" Testpoint_S1 137.802,85.718 r90 top
TPi3.3v0 "Testpoint_Square" Testpoint_S1 156.693,49.697 r90 top
TPi5.0v0 "Testpoint_Square" Testpoint_S1 156.693,52.759 r90 top
TPiGND0 "Testpoint_Round" Testpoint_D1V 150.978,51.311 r90 top
TPu3.3v2_1 "Testpoint_Square" Testpoint_S1 106.783,96.29 r90 top (schematic designator TPu3.3v2)
TPu3.3v2_2 "Testpoint_Square" Testpoint_S1 1.954,97.005 r90 top (schematic designator TPu3.3v2)
TPuGND2_1 "Testpoint_Square" Testpoint_S1 109.22,97.485 r90 top (schematic designator TPuGND2)
TPuGND2_2 "Testpoint_Square" Testpoint_S1 1.954,102.589 r180 top (schematic designator TPuGND2)